# Altium PCB PCB.PcbDoc
Units mil, origin at the board's own origin, x right, y up, seen from the top; angles counter-clockwise.
Board outline 3819.31 x 1594.9 mil, 2 copper layers (Top Layer, Bottom Layer); 102 components, 56 nets, 240 pads, 1282 vias.
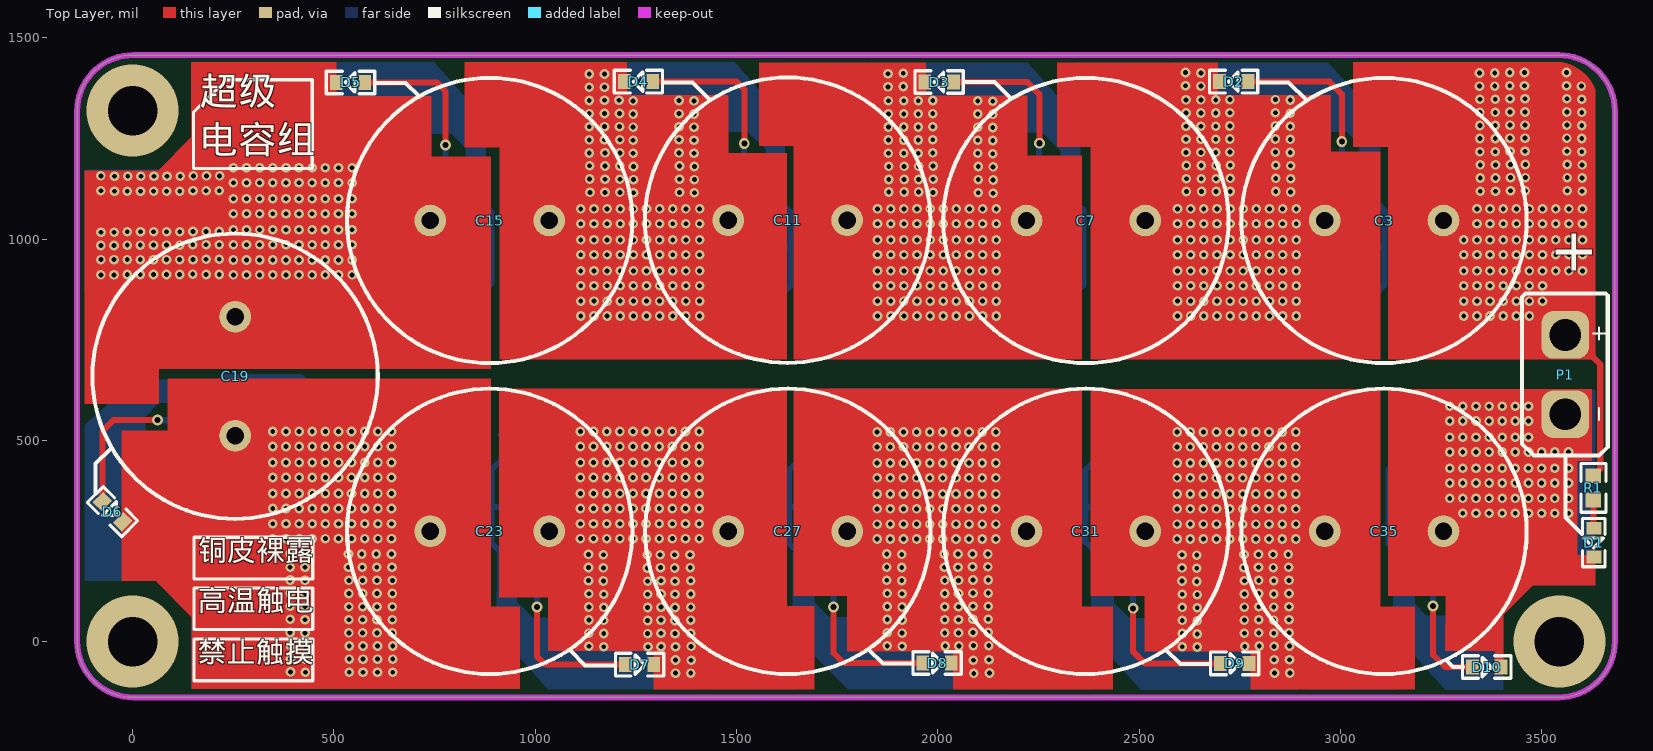
[diagram p0: Top Layer view]
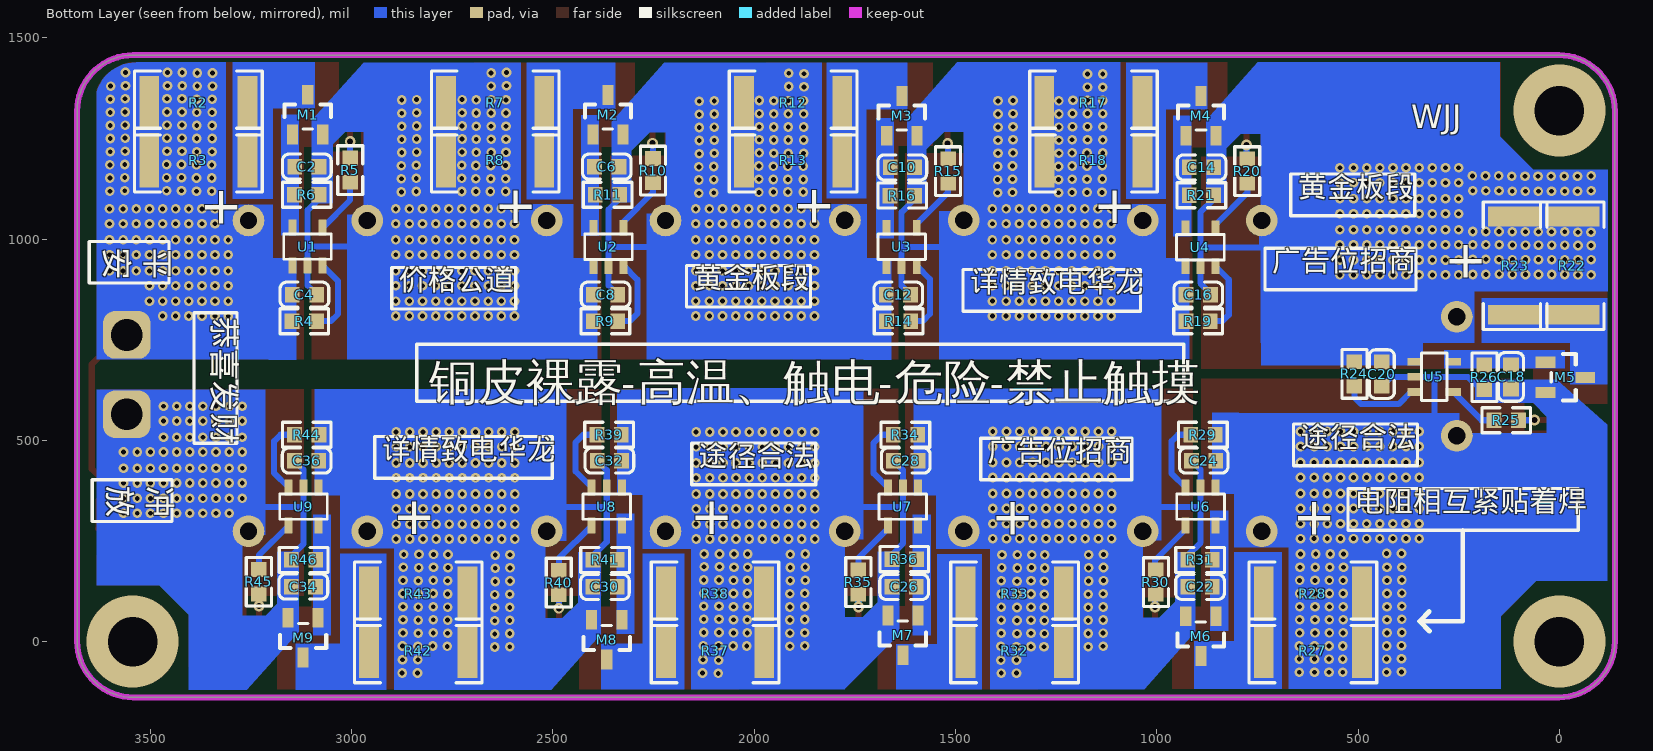
[diagram p1: Bottom Layer view, seen from below]
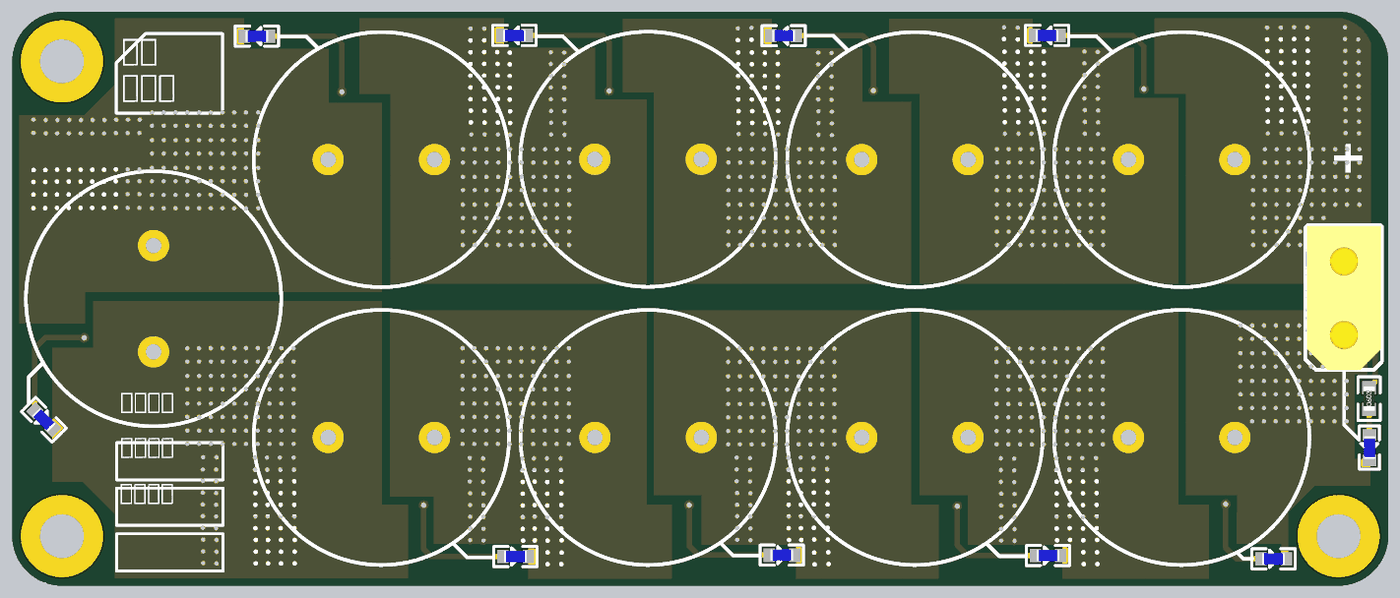
[diagram p2: 3D render of the assembled board from above, using the file's embedded part models]
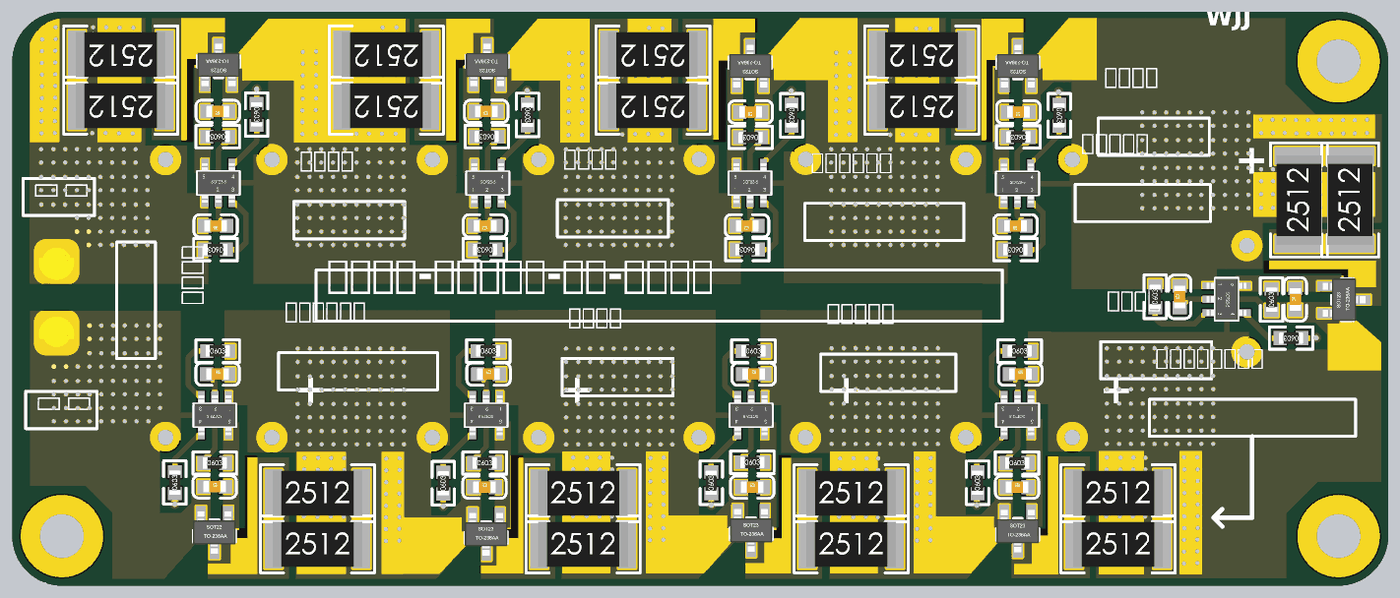
[diagram p3: 3D render of the assembled board from below, using the file's embedded part models]

## Layer stack, top to bottom
Top Solder: solder mask 0.4, Solder Resist, Dk 3.5
Top Layer: signal copper 1.4
Dielectric 1: dielectric 12.6, FR-4, Dk 4.8
Bottom Layer: signal copper 1.4
Bottom Solder: solder mask 0.4, Solder Resist, Dk 3.5

## Board outline
1,-138 cw(c1,1) -138,1 -138,1317.9 cw(c1,1317.9) 1,1456.9 3542.31,1456.9 cw(c3542.31,1317.9) 3681.31,1317.9 3681.31,1 cw(c3542.31,1) 3542.31,-138

## Design rules (kind name [scope] priority, off if disabled: settings)
Clearance [All] p1: gap=10
ComponentClearance [All] p1 off: gap=10 collisioncheckmode=3 verticalgap=10 showdistances=FALSE
Height [All] p1 off: minheight=0 maxheight=1000 prefheight=500
MinimumSolderMaskSliver [All] p1: minsoldermaskwidth=0
PolygonConnect [All] p1: connectstyle=Relief reliefconductorwidth=10 reliefentries=4 polygonreliefangle="90 Angle" airgapwidth=10
RoutingVias [All] p1: holewidth=15 width=27 viastyle="Through Hole" minholewidth=15 minwidth=24 maxholewidth=5000 maxwidth=5000
SilkToSilkClearance [All] p1: silktosilkclearance=0
SilkToSolderMaskClearance [IsPad] p1: minsilkscreentomaskgap=0 clearancetoexposedcopper=TRUE
SolderMaskExpansion [All] p1: expansion=4
Width [All] p1: maxlimit=150 minlimit=15 preferedwidth=15
25 further rules are at their usual default settings.

## Components (designator, comment, footprint, x,y, rotation, side; value= is the part's Value field where it differs from the comment)
C2 "0.1uF" 0603_C 3111,1180 r0 bottom
C3 "60F" 18x40mm 3108,1046.1 r180 top
C4 "0.1uF" 0603_C 3117,862 r0 bottom
C6 "0.1uF" 0603_C 2366,1180 r0 bottom
C7 "60F" 18x40mm 2367.55,1046.1 r180 top
C8 "0.1uF" 0603_C 2369,862 r0 bottom
C10 "0.1uF" 0603_C 1632,1178 r0 bottom
C11 "60F" 18x40mm 1626.64,1047 r180 top
C12 "0.1uF" 0603_C 1642,862 r0 bottom
C14 "0.1uF" 0603_C 889,1178 r0 bottom
C15 "60F" 18x40mm 886.64,1046.1 r180 top
C16 "0.1uF" 0603_C 897,862 r0 bottom
C18 "0.1uF" 0603_C 120,658 r90 bottom
C19 "60F" 18x40mm 254.35,659.45 r270 top
C20 "0.1uF" 0603_C 441,665 r90 bottom
C22 "0.1uF" 0603_C 892,136 r180 bottom
C23 "60F" 18x40mm 886.64,274.1 r0 top
C24 "0.1uF" 0603_C 883,450 r180 bottom
C26 "0.1uF" 0603_C 1627,136 r180 bottom
C27 "60F" 18x40mm 1627.09,274.1 r0 top
C28 "0.1uF" 0603_C 1623,450 r180 bottom
C30 "0.1uF" 0603_C 2370.11,136 r180 bottom
C31 "60F" 18x40mm 2367.55,274.1 r0 top
C32 "0.1uF" 0603_C 2359,450 r180 bottom
C34 "0.1uF" 0603_C 3119,137 r180 bottom
C35 "60F" 18x40mm 3108,274.1 r0 top
C36 "0.1uF" 0603_C 3111,450 r180 bottom
D1 "LED0" LED-0603 3627,248 r270 top
D2 "LED0" LED-0603 2736.55,1393.1 r180 top
D3 "LED0" LED-0603 2005,1392.1 r180 top
D4 "LED0" LED-0603 1258,1393.1 r180 top
D5 "LED0" LED-0603 543,1391.1 r180 top
D6 "LED0" LED-0603 -53,323.1 r315 top
D7 "LED0" LED-0603 1257,-58.9 r0 top
D8 "LED0" LED-0603 1996,-54.9 r0 top
D9 "LED0" LED-0603 2735,-55.9 r0 top
D10 "LED0" LED-0603 3361,-65 r0 top
M1 "IRLML2502TRPBF" "SOT_23 mos" 3108.6,1309.21 r270 bottom
M2 "IRLML2502TRPBF" "SOT_23 mos" 2363,1309 r270 bottom
M3 "IRLML2502TRPBF" "SOT_23 mos" 1633,1306 r270 bottom
M4 "IRLML2502TRPBF" "SOT_23 mos" 890,1306 r270 bottom
M5 "IRLML2502TRPBF" "SOT_23 mos" -15.21,656.6 r0 bottom
M6 "IRLML2502TRPBF" "SOT_23 mos" 890.4,13.79 r90 bottom
M7 "IRLML2502TRPBF" "SOT_23 mos" 1630.4,15.79 r90 bottom
M8 "IRLML2502TRPBF" "SOT_23 mos" 2365.88,5.2 r90 bottom
M9 "IRLML2502TRPBF" "SOT_23 mos" 3120,10.1 r90 bottom
P1 "XT30" XT30-F 3556.98,565.91 r90 top
R1 "10K" 0603_R 3628,382 r90 top
R2 "2R" 2512_R 3379.95,1338 r0 bottom
R3 "2R" 2512_R 3379.95,1196 r0 bottom
R4 "1K" 0603_R 3117,796 r0 bottom
R5 "10K" 0603_R 3003,1171.32 r270 bottom
R6 "1K" 0603_R 3111,1110 r0 bottom
R7 "2R" 2512_R 2643,1338 r0 bottom
R8 "2R" 2512_R 2642.95,1196 r0 bottom
R9 "1K" 0603_R 2369,796 r0 bottom
R10 "10K" 0603_R 2251,1170 r270 bottom
R11 "1K" 0603_R 2364,1110 r0 bottom
R12 "2R" 2512_R 1903,1338 r0 bottom
R13 "2R" 2512_R 1902.95,1196 r0 bottom
R14 "1K" 0603_R 1641,796 r0 bottom
R15 "10K" 0603_R 1518,1169 r270 bottom
R16 "1K" 0603_R 1632,1108 r0 bottom
R17 "2R" 2512_R 1157,1338 r0 bottom
R18 "2R" 2512_R 1156.95,1196 r0 bottom
R19 "1K" 0603_R 897,796 r0 bottom
R20 "10K" 0603_R 775,1169 r270 bottom
R21 "1K" 0603_R 889,1109 r0 bottom
R22 "2R" 2512_R -32,934 r90 bottom
R23 "2R" 2512_R 110,934 r90 bottom
R24 "1K" 0603_R 509,665 r90 bottom
R25 "10K" 0603_R 131.68,550 r0 bottom
R26 "1K" 0603_R 186,657 r90 bottom
R27 "2R" 2512_R 612,-23 r180 bottom
R28 "2R" 2512_R 612,119 r180 bottom
R29 "1K" 0603_R 885,514 r180 bottom
R30 "10K" 0603_R 1002,148 r90 bottom
R31 "1K" 0603_R 892.32,203 r180 bottom
R32 "2R" 2512_R 1352.82,-23 r180 bottom
R33 "2R" 2512_R 1353,119 r180 bottom
R34 "1K" 0603_R 1624,514 r180 bottom
R35 "10K" 0603_R 1741,148 r90 bottom
R36 "1K" 0603_R 1627,205 r180 bottom
R37 "2R" 2512_R 2096.87,-23 r180 bottom
R38 "2R" 2512_R 2097,119 r180 bottom
R39 "1K" 0603_R 2360,514 r180 bottom
R40 "10K" 0603_R 2485,147 r90 bottom
R41 "1K" 0603_R 2370,203 r180 bottom
R42 "2R" 2512_R 2834,-23 r180 bottom
R43 "2R" 2512_R 2834,119 r180 bottom
R44 "1K" 0603_R 3111,514 r180 bottom
R45 "10K" 0603_R 3230,149 r90 bottom
R46 "1K" 0603_R 3119,203 r180 bottom
U1 "BW6101" SOT23-5 3146.4,934 r0 bottom
U2 "BW6101" SOT23-5 2398.95,933.51 r0 bottom
U3 "BW6101" SOT23-5 1670.8,933.51 r0 bottom
U4 "BW6101" SOT23-5 928.8,932.51 r0 bottom
U5 "BW6101" SOT23-5 358,695.4 r90 bottom
U6 "BW6101" SOT23-5 853.6,383 r180 bottom
U7 "BW6101" SOT23-5 1593.04,383 r180 bottom
U8 "BW6101" SOT23-5 2328.47,383 r180 bottom
U9 "BW6101" SOT23-5 3081.51,383 r180 bottom

## Footprints (in the part's own frame and the unit in brackets; to place one, negate y for a bottom-side part, rotate by r counter-clockwise, add the part's x,y. Pads: shape width x height; smd on the part's side, far side on the other; paste and mask are expansions set on the pad)
18x40mm [mm]
  round 2 hole 1.1: 1(-3.75,0) 2(3.75,0)
  silkscreen extent -9,-9 9,9
0603_C [mm]
  rect 0.93x0.98 smd: 1(-0.778,0) 2(0.762,0)
  silkscreen extent -1.54,-0.79 1.53,0.79, body extent -0.81,-0.4 0.79,0.4, height 0.3
0603_R [mm]
  rect 0.93x0.98 smd: 1(-0.77,0) 2(0.77,0)
  silkscreen extent -1.53,-0.79 1.54,0.79, body extent -0.85,-0.4 0.85,0.4, height 0.56
2512_R [mm]
  rect 1.25x3.42 smd: 1(-3.1,0) 2(3.1,0)
  silkscreen extent -4.03,-2.01 4.02,2.01, body extent -3.16,-1.6 3.16,1.6, height 0.62
LED-0603 [mm]
  rect 0.8x0.95 smd: 1(-0.849,0.051) 2(0.951,0.051)
  silkscreen extent -1.47,-0.66 1.57,0.76, body extent -0.75,-0.34 0.85,0.46, height 0.8
SOT23-5 [mm]
  rect 0.5x1 smd: 1(0,0) 2(-0.95,0) 3(-1.9,0) 4(-1.9,-2.4) 5(0,-2.4)
  silkscreen extent -2.45,-2 0.55,-0.4, body extent -2.4,-2.6 0.5,0.2, height 1.09
"SOT_23 mos" [mm]
  rect 1.25x0.7 smd: D(-1.25,0) G(1.25,-0.95) S(1.25,0.95)
  silkscreen extent -0.65,-1.46 0.9,1.46, body extent -1.5,-1.5 1.5,1.5, height 1.3
XT30-F [mm]
  rrect50% 3x3 hole 2: 1(4.981,-0.026) 2(-0.019,-0.026)
  silkscreen extent -2.64,-2.71 7.59,2.69, body extent -2.79,-2.63 7.61,2.67, height 12.6

## Part data
C2 C4 C6 C8 C10 C12 C14 C16 C18 C20 C22 C24 C26 C28 C30 C32 C34 C36: library part Cap
C3 C7 C11 C15 C19 C23 C27 C31 C35: library part "Super Cap"
D1 D2 D3 D4 D5 D6 D7 D8 D9 D10: "发光二极管"
M1 M2 M3 M4 M5 M6 M7 M8 M9: library part MOSFET
R1 R2 R3 R4 R5 R6 R7 R8 R9 R10 R11 R12 R13 R14 R15 R16 R17 R18 R19 R20 R21 R22 R23 R24 R25 R26 R27 R28 R29 R30 R31 R32 R33 R34 R35 R36 R37 R38 R39 R40 R41 R42 R43 R44 R45 R46: library part Res

## Via types
v1: diameter 24, hole 12, Top Layer to Bottom Layer, tented both sides, 1270 vias
v2: diameter 27, hole 15, Top Layer to Bottom Layer, tented both sides, 9 vias
v3: diameter 228.35, hole 122.05, Top Layer to Bottom Layer, 3 vias

## Nets (pads, with @x,y where several pads share a name; then routed paths per layer and width w, separated by ;. In a path a pad name is that pad's centre, name@x,y a point inside that pad or via, vN(x,y) a via of type N, cw(c..) or ccw(c..) an arc to the next point about the centre after c; other vN are vias at no path point)
CC1: C2.1 C3.2 C4.1 C7.1 C8.2 D2.2 M1.S R6.1 R7.2 R8.2 R9.2 U1.2 U2.1 | length 1055.5
  Bottom Layer w15: U2.1 2399.32,933.14 C8.2@2399.32,862 ; C8.2 C8.2@2399.32,862 ; R9.2 C8.2@2399.32,862 ; C7.1 2515.18,909.18 2468,862 C8.2@2399.32,862 ; C3.2 2960.36,982 3109,982 ; M1.S 3071.2,1191.17 3082.37,1180 3071,1168.63 3071,1120.69 3081.69,1110 3081.69,1099.31 3109,1072 3109,982 ; C4.1 3109,884.63 U1.2 3109,982
  other v1: 2595,809 2627.67,809 2660.33,809 2693,809 2725.67,809 2758,809 2790.67,809 2823.33,809 2856,809 2890,809 2595,846 2627.67,846 2660.33,846 2693,846 2725.67,846 2758,846 2790.67,846 2823.33,846 2856,846 2890,846 2595,884 2627.67,884 2660.33,884 2693,884 2725.67,884 2758,884 2790.67,884 2823.33,884 2856,884 2890,884 2595,921 2627.67,921 2660.33,921 2693,921 2725.67,921 2758,921 2790.67,921 2823.33,921 2856,921 2890,921 2595,961 2627.67,961 2660.33,961 2693,961 2725.67,961 2758,961 2790.67,961 2823.33,961 2856,961 2890,961 2595,998 2627.67,998 2660.33,998 2693,998 2725.67,998 2758,998 2790.67,998 2823.33,998 2856,998 2890,998 2595,1038 2627.67,1038 2660.33,1038 2693,1038 2725.67,1038 2758,1038 2790.67,1038 2823.33,1038 2856,1038 2890,1038 2595,1075 2627.67,1075 2660.33,1075 2693,1075 2725.67,1075 2758,1075 2790.67,1075 2823.33,1075 2856,1075 2890,1075 2876,1117 2617,1118 2655,1118 2691,1118 2726,1118 2839,1118 2617,1150 2654,1150 2691,1150 2876,1149.67 2726,1150.67 2839,1150.67 2876,1182.33 2617,1182.67 2654,1182.67 2691,1182.67 2726,1183.33 2839,1183.33 2616,1215.33 2653,1215.33 2690,1215.33 2875,1215 2725,1216 2838,1216 2616,1248 2653,1248 2690,1248 2875,1247.67 2725,1248.67 2838,1248.67 2616,1280.33 2653,1280.33 2690,1280.33 2875,1280 2725,1281 2838,1281 2616,1313 2653,1313 2690,1313 2875,1312.67 2725,1313.67 2838,1313.67 2875,1345.33 2616,1345.67 2653,1345.67 2690,1345.67 2725,1346.33 2838,1346.33 2653,1380 2615,1381 2653,1412.67 2615,1413.67
CC2: C6.1 C7.2 C8.1 C11.1 C12.2 D3.2 M2.S R11.1 R12.2 R13.2 R14.2 U2.2 U3.1 | length 1030.1
  Bottom Layer w15: U3.1 1670.8,796.51 R14.2 ; C12.2 1733,862 1774.73,903.73 C11.1@1774.73,1046.1 ; C7.2 2219.91,980 2361.55,980 ; M2.S 2325.6,1118.09 R11.1 2333.69,1101.31 2361.55,1073.45 2361.55,980 ; C8.1 2361.55,885.18 U2.2 2361.55,980
  other v1: 1850,809 1882.67,809 1915.33,809 1948,809 1980.67,809 2013,809 2045.67,809 2078.33,809 2111,809 2145,809 1850,846 1882.67,846 1915.33,846 1948,846 1980.67,846 2013,846 2045.67,846 2078.33,846 2111,846 2145,846 1850,884 1882.67,884 1915.33,884 1948,884 1980.67,884 2013,884 2045.67,884 2078.33,884 2111,884 2145,884 1850,921 1882.67,921 1915.33,921 1948,921 1980.67,921 2013,921 2045.67,921 2078.33,921 2111,921 2145,921 1850,961 1882.67,961 1915.33,961 1948,961 1980.67,961 2013,961 2045.67,961 2078.33,961 2111,961 2145,961 1850,998 1882.67,998 1915.33,998 1948,998 1980.67,998 2013,998 2045.67,998 2078.33,998 2111,998 2145,998 1850,1038 1882.67,1038 1915.33,1038 1948,1038 1980.67,1038 2013,1038 2045.67,1038 2078.33,1038 2111,1038 2145,1038 1850,1075 1882.67,1075 1915.33,1075 1948,1075 1980.67,1075 2013,1075 2045.67,1075 2078.33,1075 2111,1075 2145,1075 2137,1114 2100,1115 1988,1116 1878,1117 1916,1117 1952,1117 2137,1146.67 1878,1148 1916,1148 1952,1148 2100,1147.67 1988,1148.67 2137,1179.33 2100,1180.33 1878,1180.67 1916,1180.67 1952,1180.67 1988,1181.33 2136,1212 1877,1213.33 1915,1213.33 1951,1213.33 2099,1213 1987,1214 2136,1244.67 1877,1246 1915,1246 1951,1246 2099,1245.67 1987,1246.67 2136,1277 1877,1278.33 1915,1278.33 1951,1278.33 2099,1278 1987,1279 2136,1309.67 1877,1311 1915,1311 1951,1311 2099,1310.67 1987,1311.67 2136,1342.33 2099,1343.33 1877,1343.67 1915,1343.67 1951,1343.67 1987,1344.33 1876,1378 1914,1379 1876,1410.67 1914,1412
CC3: C10.1 C11.2 C12.1 C15.1 C16.2 D4.2 M3.S R16.1 R17.2 R18.2 R19.2 U3.2 U4.1 | length 1040.2
  Bottom Layer w12: R19.2@926.32,798 R19.2@928.8,800.49
  Bottom Layer w15: C16.2 C16.2@928.8,862 ; R19.2@928.8,800.49 C16.2@928.8,862 ; U4.1 C16.2@928.8,862 ; C15.1 1034.28,909.28 987,862 C16.2@928.8,862 ; C11.2 1479,980 1633.4,980 ; M3.S 1595.6,1114.09 R16.1 1601.69,1098.31 1633.4,1066.6 1633.4,980 ; C12.1 1633.4,884.03 U3.2 1633.4,980
  other v1: 1113,809 1145.67,809 1178.33,809 1211,809 1243.67,809 1276,809 1308.67,809 1341.33,809 1374,809 1408,809 1113,846 1145.67,846 1178.33,846 1211,846 1243.67,846 1276,846 1308.67,846 1341.33,846 1374,846 1408,846 1113,884 1145.67,884 1178.33,884 1211,884 1243.67,884 1276,884 1308.67,884 1341.33,884 1374,884 1408,884 1113,921 1145.67,921 1178.33,921 1211,921 1243.67,921 1276,921 1308.67,921 1341.33,921 1374,921 1408,921 1113,961 1145.67,961 1178.33,961 1211,961 1243.67,961 1276,961 1308.67,961 1341.33,961 1374,961 1408,961 1113,998 1145.67,998 1178.33,998 1211,998 1243.67,998 1276,998 1308.67,998 1341.33,998 1374,998 1408,998 1113,1038 1145.67,1038 1178.33,1038 1211,1038 1243.67,1038 1276,1038 1308.67,1038 1341.33,1038 1374,1038 1408,1038 1113,1075 1145.67,1075 1178.33,1075 1211,1075 1243.67,1075 1276,1075 1308.67,1075 1341.33,1075 1374,1075 1408,1075 1244,1115 1395,1115 1136,1116 1173,1116 1210,1116 1358,1116 1244,1147.67 1395,1147.67 1135,1149.33 1173,1148.67 1210,1148.67 1358,1148.67 1244,1180.33 1395,1180.33 1173,1181.33 1210,1181.33 1358,1181.33 1135,1182 1243,1213 1394,1213 1134,1213.67 1173,1214 1210,1214 1357,1214 1134,1246.33 1243,1245.67 1394,1245.67 1172,1246.67 1210,1246.67 1357,1246.67 1243,1278 1394,1278 1134,1279 1172,1279.33 1209,1279.33 1357,1279 1243,1310.67 1394,1310.67 1134,1311.67 1172,1312 1209,1312 1357,1311.67 1243,1343.33 1394,1343.33 1134,1344.33 1357,1344.33 1172,1344.67 1208,1344.67 1134,1377 1172,1377.33 1134,1410 1172,1410
CC4: C14.1 C15.2 C16.1 C19.1 C20.2 D5.2 M4.S R21.1 R22.2 R23.2 R24.2 U4.2 U5.1 | length 1064.1
  Bottom Layer w12: R24.2@508.91,695.4 R24.2
  Bottom Layer w15: C19.1 395.91,807.09 441,762 C20.2@441,695.4 ; U5.1 C20.2@441,695.4 ; C20.2 C20.2@441,695.4 ; R24.2@508.91,695.4 C20.2@441,695.4 ; C15.2 739,979 891.4,979 ; M4.S 852.6,1115.09 R21.1 858.69,1099.31 891.4,1066.6 891.4,979 ; C16.1 866.37,865.37 891.4,890.4 U4.2 891.4,979
  other v1: -79,911 -46.33,911 250,911 282.67,911 315.33,911 348,911 380.67,911 413,911 445.67,911 478.33,911 511,911 545,911 -13.67,912 19,912 51.67,912 84,912 116.67,912 182.33,912 215,912 149.33,913 250,948 282.67,948 315.33,948 348,948 380.67,948 413,948 445.67,948 478.33,948 511,948 545,948 -79,949 -46.33,949 -13.67,949 19,949 51.67,949 84,949 116.67,949 150,949 182.33,950 215,950 -79,984 -46.33,984 -13.67,985 19,985 51.67,985 84,985 116.67,985 149.33,986 182.33,986 215,986 250,986 282.67,986 315.33,986 348,986 380.67,986 413,986 445.67,986 478.33,986 511,986 545,986 -78.67,1017 -46,1017 -13.33,1018 19.33,1018 52,1018 84.33,1018 117,1018 149.67,1019 182.33,1019 215,1019 250,1023 282.67,1023 315.33,1023 348,1023 380.67,1023 413,1023 445.67,1023 478.33,1023 511,1023 545,1023 250,1063 282.67,1063 315.33,1063 348,1063 380.67,1063 413,1063 445.67,1063 478.33,1063 511,1063 545,1063 250,1100 282.67,1100 315.33,1100 348,1100 380.67,1100 413,1100 445.67,1100 478.33,1100 511,1100 545,1100 -45,1119 -13.33,1119 19.33,1119 52,1119 84.33,1119 117,1119 -79,1120 149.67,1120 182.33,1120 215,1120 250,1140 282.67,1140 315.33,1140 348,1140 380.67,1140 413,1140 445.67,1140 478.33,1140 511,1140 545,1140 -45,1156 -12.33,1156 20.33,1156 53,1156 85.33,1156 118,1156 -79,1157 150.67,1157 183.33,1157 216,1157 250,1177 282.67,1177 315.33,1177 348,1177 380.67,1177 413,1177 445.67,1177 478.33,1177 511,1177 545,1177
CC5: C18.1 C19.2 C20.1 C23.1 C24.2 D6.2 M5.S R26.1 R27.2 R28.2 R29.2 U5.2 U6.1 | length 1016.8
  Bottom Layer w15: M5.S 178.51,619.2 R26.1 195.69,626.69 227,658 310,658 ; C19.2 310,511.81 310,658 ; C20.1 417.37,658 U5.2 310,658 ; C23.1 739,383 806,450 C24.2 ; U6.1 853.6,512.91 R29.2
  other v1: 429,-76 538,-76 572,-76 608,-76 646,-76 392,-75 429,-43.33 538,-43.33 572,-43.33 608,-43.33 646,-43.33 392,-42.33 429,-10.67 538,-10.67 572,-10.67 608,-10.67 646,-10.67 392,-9.67 428,22 537,22 571,22 607,22 645,22 391,23 428,54.67 537,54.67 571,54.67 607,54.67 645,54.67 391,55.67 428,87 537,87 571,87 607,87 645,87 391,88 428,119.67 537,119.67 571,119.67 607,119.67 645,119.67 391,120.67 428,152.33 537,152.33 571,152.33 607,152.33 645,152.33 391,153.33 391,185 428,185 536,185 570,185 606,185 644,185 536,217.67 569,218 605,218 643,218 392,219 429,219 348,256 380.67,256 413.33,256 446,256 478.67,256 511,256 543.67,256 576.33,256 609,256 643,256 348,293 380.67,293 413.33,293 446,293 478.67,293 511,293 543.67,293 576.33,293 609,293 643,293 348,331 380.67,331 413.33,331 446,331 478.67,331 511,331 543.67,331 576.33,331 609,331 643,331 348,368 380.67,368 413.33,368 446,368 478.67,368 511,368 543.67,368 576.33,368 609,368 643,368 348,408 380.67,408 413.33,408 446,408 478.67,408 511,408 543.67,408 576.33,408 609,408 643,408 348,445 380.67,445 413.33,445 446,445 478.67,445 511,445 543.67,445 576.33,445 609,445 643,445 348,485 380.67,485 413.33,485 446,485 478.67,485 511,485 543.67,485 576.33,485 609,485 643,485 348,522 380.67,522 413.33,522 446,522 478.67,522 511,522 543.67,522 576.33,522 609,522 643,522
CC6: C22.1 C23.2 C24.1 C27.1 C28.2 D7.2 M6.S R31.1 R32.2 R33.2 R34.2 U6.2 U7.1 | length 1015.1
  Bottom Layer w15: C24.1 891,427.37 U6.2 891,335 ; R31.1 922.63,214.37 891,246 891,335 ; C23.2 1034.28,335 891,335 ; C27.1 1479.45,413.45 1516,450 C28.2 ; U7.1 1593.68,383.65 R34.2
  Bottom Layer w20: R31.1 927.8,197.83 M6.S
  other v1: 1348,-78 1386,-78 1387,-46 1348,-45.33 1280,-12.67 1312,-12.67 1348,-12.67 1170,-12.33 1313,-11.67 1387,-11.67 1133,-11.33 1170,20.33 1279,20 1347,20 1133,21.33 1312,21 1386,21 1170,53 1279,52.67 1347,52.67 1133,54 1312,53.67 1386,53.67 1170,85.33 1279,85 1347,85 1133,86.33 1312,86 1386,86 1170,118 1279,117.67 1347,117.67 1133,119 1312,118.67 1386,118.67 1279,150.33 1347,150.33 1169,150.67 1312,151.33 1386,151.33 1132,151.67 1169,183.33 1278,183 1346,183 1132,184.33 1311,184 1385,184 1169,216 1278,215.67 1310,216 1346,216 1384,216 1132,217 1112,256 1144.67,256 1177.33,256 1210,256 1242.67,256 1275,256 1307.67,256 1340.33,256 1373,256 1407,256 1112,293 1144.67,293 1177.33,293 1210,293 1242.67,293 1275,293 1307.67,293 1340.33,293 1373,293 1407,293 1112,331 1144.67,331 1177.33,331 1210,331 1242.67,331 1275,331 1307.67,331 1340.33,331 1373,331 1407,331 1112,368 1144.67,368 1177.33,368 1210,368 1242.67,368 1275,368 1307.67,368 1340.33,368 1373,368 1407,368 1112,408 1144.67,408 1177.33,408 1210,408 1242.67,408 1275,408 1307.67,408 1340.33,408 1373,408 1407,408 1112,445 1144.67,445 1177.33,445 1210,445 1242.67,445 1275,445 1307.67,445 1340.33,445 1373,445 1407,445 1112,485 1144.67,485 1177.33,485 1210,485 1242.67,485 1275,485 1307.67,485 1340.33,485 1373,485 1407,485 1112,522 1144.67,522 1177.33,522 1210,522 1242.67,522 1275,522 1307.67,522 1340.33,522 1373,522 1407,522
CC7: C26.1 C27.2 C28.1 C31.1 C32.2 D8.2 M7.S R36.1 R37.2 R38.2 R39.2 U7.2 U8.1 | length 733.9
  Bottom Layer w15: C28.1 1630.44,426.81 U7.2 1630.44,335 ; C26.1@1654.99,136.32 C26.1@1655.3,136 ; M7.S 1667.8,194.51 R36.1 1657.31,216.69 1630.44,243.56 1630.44,335 ; C27.2 1774.73,312.27 1752,335 1630.44,335 ; U8.1 2328.47,512.79 R39.2
  other v1: 2089,-78.67 2128,-77.67 2088,-46 2127,-45 1911,-11.33 2018,-10.67 2052,-10.67 1874,-10.33 2088,-9.67 2126,-9.67 1911,21.33 1874,22.33 2017,22 2051,22 2087,23 2125,23 1911,54 1874,55 2017,54.67 2051,54.67 2087,55.67 2125,55.67 1911,86.33 1874,87.33 2017,87 2051,87 2087,88 2125,88 1911,119 1874,120 2017,119.67 2051,119.67 2087,120.67 2125,120.67 1910,151.67 2017,152.33 2051,152.33 1873,152.67 2087,153.33 2125,153.33 1910,184.33 1873,185.33 2016,185 2050,185 2086,186 2124,186 1910,217 1873,218 2016,217.67 2050,218 2086,218 2124,218 1849,255 1881.67,255 1914.33,255 1947,255 1979.67,255 2012,255 2044.67,255 2077.33,255 2110,255 2144,255 1849,292 1881.67,292 1914.33,292 1947,292 1979.67,292 2012,292 2044.67,292 2077.33,292 2110,292 2144,292 1849,330 1881.67,330 1914.33,330 1947,330 1979.67,330 2012,330 2044.67,330 2077.33,330 2110,330 2144,330 1849,367 1881.67,367 1914.33,367 1947,367 1979.67,367 2012,367 2044.67,367 2077.33,367 2110,367 2144,367 1849,407 1881.67,407 1914.33,407 1947,407 1979.67,407 2012,407 2044.67,407 2077.33,407 2110,407 2144,407 1849,444 1881.67,444 1914.33,444 1947,444 1979.67,444 2012,444 2044.67,444 2077.33,444 2110,444 2144,444 1849,484 1881.67,484 1914.33,484 1947,484 1979.67,484 2012,484 2044.67,484 2077.33,484 2110,484 2144,484 1849,521 1881.67,521 1914.33,521 1947,521 1979.67,521 2012,521 2044.67,521 2077.33,521 2110,521 2144,521
CC8: C30.1 C31.2 C32.1 C35.1 C36.2 D9.2 M8.S R41.1 R42.2 R43.2 R44.2 U8.2 U9.1 | length 992.3
  Bottom Layer w15: C32.1 2365.88,426.24 U8.2 2365.88,335 ; M8.S 2403.28,200.04 R41.1 2400.31,213.69 2378.02,235.98 2365.88,248.13 2365.88,335 ; C31.2 2515.18,289.82 2470,335 2365.88,335 ; C35.1 2960.36,381.36 3029,450 C36.2@3080.68,450 ; R44.2 C36.2@3080.68,450 ; C36.2 C36.2@3080.68,450 ; U9.1 3080.68,383.82 C36.2@3080.68,450
  other v1: 2836,-77.67 2874,-77.67 2835,-45 2873,-45 2644,-13.33 2607,-12.33 2762,-11.67 2835,-11.67 2798,-10.67 2873,-10.67 2644,19.33 2607,20.33 2761,21 2834,21 2797,22 2872,22 2644,52 2607,53 2761,53.67 2834,53.67 2797,54.67 2872,54.67 2644,84.33 2607,85.33 2761,86 2834,86 2797,87 2872,87 2644,117 2607,118 2761,118.67 2834,118.67 2797,119.67 2872,119.67 2643,149.67 2606,150.67 2761,151.33 2834,151.33 2797,152.33 2872,152.33 2643,182.33 2606,183.33 2760,184 2833,184 2796,185 2871,185 2643,215 2606,216 2760,216.67 2796,217 2832,217 2870,217 2594,255 2626.67,255 2659.33,255 2692,255 2724.67,255 2757,255 2789.67,255 2822.33,255 2855,255 2889,255 2594,292 2626.67,292 2659.33,292 2692,292 2724.67,292 2757,292 2789.67,292 2822.33,292 2855,292 2889,292 2594,330 2626.67,330 2659.33,330 2692,330 2724.67,330 2757,330 2789.67,330 2822.33,330 2855,330 2889,330 2594,367 2626.67,367 2659.33,367 2692,367 2724.67,367 2757,367 2789.67,367 2822.33,367 2855,367 2889,367 2594,407 2626.67,407 2659.33,407 2692,407 2724.67,407 2757,407 2789.67,407 2822.33,407 2855,407 2889,407 2594,444 2626.67,444 2659.33,444 2692,444 2724.67,444 2757,444 2789.67,444 2822.33,444 2855,444 2889,444 2594,484 2626.67,484 2659.33,484 2692,484 2724.67,484 2757,484 2789.67,484 2822.33,484 2855,484 2889,484 2594,521 2626.67,521 2659.33,521 2692,521 2724.67,521 2757,521 2789.67,521 2822.33,521 2855,521 2889,521
GND: C34.1 C35.2 C36.1 D1.2 D10.2 M9.S P1.2 R46.1 U9.2 | length 604.8
  Bottom Layer w15: C36.1 3118.91,427.28 U9.2 3118.91,335 ; R46.1 3149.31,212.69 3118.91,243.09 3118.91,335 ; C35.2 3255.64,318.36 3239,335 3118.91,335
  Bottom Layer w20: R46.1@3147.31,203 3157.4,192.91 M9.S
  other v1: 3303.67,319 3336.33,319 3369,319 3401.67,319 3434,319 3466.67,319 3499.33,319 3532,319 3566,319 3271,356 3303.67,356 3336.33,356 3369,356 3401.67,356 3434,356 3466.67,356 3499.33,356 3532,356 3566,356 3271,394 3303.67,394 3336.33,394 3369,394 3401.67,394 3434,394 3466.67,394 3499.33,394 3532,394 3566,394 3271,431 3303.67,431 3336.33,431 3369,431 3401.67,431 3434,431 3466.67,431 3499.33,431 3532,431 3566,431 3271,471 3303.67,471 3336.33,471 3369,471 3401.67,471 3434,471 3466.67,471 3499.33,471 3532,471 3566,471 3271,508 3303.67,508 3336.33,508 3369,508 3401.67,508 3434,508 3466.67,508 3271,548 3303.67,548 3336.33,548 3369,548 3401.67,548 3434,548 3466.67,548 3271,585 3303.67,585 3336.33,585 3369,585 3401.67,585 3434,585 3466.67,585
NetC2_2: C2.2 M1.G R6.2 U1.5 | length 231.7
  Bottom Layer w15: M1.G 3146.4,1259.6 U1.5
NetC6_2: C6.2 M2.G R11.2 U2.5 | length 237.7
  Bottom Layer w15: U2.5 2398.95,1259.79 2398.95,1259.95 M2.G@2403,1264
NetC10_2: C10.2 M3.G R16.2 U3.5 | length 229
  Bottom Layer w15: M3.G 1670.8,1256.39 U3.5
NetC14_2: C14.2 M4.G R21.2 U4.5 | length 230.3
  Bottom Layer w15: M4.G@925.4,1256.79 928.8,1253.39 931.8,1179 U4.5@931.8,1028
NetC18_2: C18.2 M5.G R26.2 U5.5 | length 230.1
  Bottom Layer w12: U5.5@262.11,694 U5.5
  Bottom Layer w15: M5.G U5.5@262.11,694
NetC22_2: C22.2 M6.G R31.2 U6.5 | length 226.5
  Bottom Layer w15: U6.5 853.6,65.4 M6.G@856,63
NetC26_2: C26.2 M7.G R36.2 U7.5 | length 223.5
  Bottom Layer w15: M7.G M7.G U7.5
NetC30_2: C30.2 M8.G R41.2 U8.5 | length 234.1
  Bottom Layer w15: M8.G U8.5
NetC34_2: C34.2 M9.G R46.2 U9.5 | length 229.6
  Bottom Layer w15: U9.5 3081.51,60.41 M9.G
NetD1_1: D1.1 R1.1 | length 70.7
  Top Layer w15: R1.1 3628,282.43 D1.1
NetD2_1: D2.1 R5.1 | length 404.3
  Top Layer w15: D2.1 2971.9,1391.1 3003,1360 v2(3003,1242)
  Bottom Layer w15: R5.1 v2(3003,1242)
NetD3_1: D3.1 R10.1 | length 386.1
  Top Layer w15: D3.1 2221.9,1390.1 2252,1360 v2(2252,1238)
  Bottom Layer w15: R10.1 2251,1237 v2(2252,1238)
NetD4_1: D4.1 R15.1 | length 408.6
  Top Layer w15: D4.1 1499.9,1391.1 1519,1372 v2(1519,1237)
  Bottom Layer w15: R15.1 1518,1236 v2(1519,1237)
NetD5_1: D5.1 R20.1 | length 378.2
  Top Layer w15: D5.1 754.9,1389.1 777,1367 v2(777,1234)
  Bottom Layer w15: R20.1 777,1201.31 v2(777,1234)
NetD6_1: D6.1 R25.1 | length 363.3
  Top Layer w15: D6.1 -75.23,522.77 -47,551 v2(62,551)
  Bottom Layer w12: v2(62,551) v2@63,550
  Bottom Layer w15: v2@63,550 R25.1
NetD7_1: D7.1 R30.1 | length 381.9
  Top Layer w15: v2(1004,86) 1004,-36 1024.9,-56.9 D7.1
  Bottom Layer w15: v2(1004,86) R30.1@1004,117.69
NetD8_1: D8.1 R35.1 | length 377.6
  Top Layer w15: v2(1741,86) 1741,-28 1765.9,-52.9 D8.1
  Bottom Layer w15: v2(1741,86) R35.1
NetD9_1: D9.1 R40.1 | length 370.2
  Top Layer w15: v2(2485,83) 2485,-25 2513.9,-53.9 D9.1
  Bottom Layer w15: v2(2485,83) R40.1
NetD10_1: D10.1 R45.1 | length 263.6
  Top Layer w15: v2(3230,89) 3230,-33 3259.9,-62.9 D10.1@3329.57,-62.9
  Bottom Layer w15: v2(3230,89) R45.1
NetM1_D: M1.D R2.1 R3.1
NetM2_D: M2.D R7.1 R8.1
NetM3_D: M3.D R12.1 R13.1
NetM4_D: M4.D R17.1 R18.1
NetM5_D: M5.D R22.1 R23.1
NetM6_D: M6.D R27.1 R28.1
NetM7_D: M7.D R32.1 R33.1
NetM8_D: M8.D R37.1 R38.1
NetM9_D: M9.D R42.1 R43.1
NetR4_1: R4.1 U1.3 | length 197.1
  Bottom Layer w15: U1.3 3033,895.4 3033,814 3051,796 R4.1
NetR5_2: R5.2 U1.4 | length 140.9
  Bottom Layer w15: R5.2 3003,1097.09 U1.4
NetR9_1: R9.1 U2.3 | length 189.2
  Bottom Layer w15: U2.3 2290,899.37 2290,815 2309,796 R9.1
NetR10_2: R10.2 U2.4 | length 142
  Bottom Layer w15: R10.2 2251,1116 2324.14,1042.86 U2.4
NetR14_1: R14.1 U3.3 | length 188.3
  Bottom Layer w15: U3.3 1563,900.51 1563,814 1581,796 R14.1
NetR15_2: R15.2 U3.4 | length 143
  Bottom Layer w15: R15.2 1518,1116 1596,1038 U3.4
NetR19_1: R19.1 U4.3 | length 186.5
  Bottom Layer w15: U4.3 821,899.51 821,812 837,796 R19.1
NetR20_2: R20.2 U4.4 | length 144.4
  Bottom Layer w15: R20.2 775,1115 854,1036 U4.4
NetR24_1: R24.1 U5.3 | length 198.4
  Bottom Layer w12: U5.3 U5.3@368.4,620.6
  Bottom Layer w15: U5.3@368.4,620.6 399,590 492,590 509,607 R24.1
NetR25_2: R25.2 U5.4 | length 130.8
  Bottom Layer w15: R25.2 192.91,550 U5.4
NetR29_1: R29.1 U6.3 | length 183.6
  Bottom Layer w15: R29.1 947,514 963,498 963,417.6 U6.3
NetR30_2: R30.2 U6.4 | length 136.8
  Bottom Layer w15: U6.4 928.4,278.6 1004,203 R30.2@1004,183
NetR34_1: R34.1 U7.3 | length 182.5
  Bottom Layer w15: R34.1 1683,514 1703,494 1703,418.16 U7.3
NetR35_2: R35.2 U7.4 | length 140.5
  Bottom Layer w15: U7.4 1667.84,280.16 1741,207 R35.2
NetR39_1: R39.1 U8.3 | length 189
  Bottom Layer w15: R39.1 2424,514 2443,495 2443,422.72 U8.3
NetR40_2: R40.2 U8.4 | length 145
  Bottom Layer w15: U8.4 2485,206.79 R40.2
NetR44_1: R44.1 U9.3 | length 187.1
  Bottom Layer w15: R44.1 3176,514 3192,498 3192,418.69 U9.3
NetR45_2: R45.2 U9.4 | length 139.7
  Bottom Layer w15: U9.4 3230,214.82 R45.2
VCC: C3.1 C4.2 P1.1 R1.2 R2.2 R3.2 R4.2 U1.1 | length 812.4
  Top Layer w15: P1.1 3572,762 3645,689 3645,429.32 R1.2
  Bottom Layer w15: U1.1 3146.4,796.91 R4.2 ; C4.2 3222,862 3242,882 3242,1032.46 C3.1
  other v1: 3306,809 3338.67,809 3371.33,809 3404,809 3436.67,809 3469,809 3306,846 3338.67,846 3371.33,846 3404,846 3436.67,846 3469,846 3501.67,846 3306,884 3338.67,884 3371.33,884 3404,884 3436.67,884 3469,884 3501.67,884 3306,921 3338.67,921 3371.33,921 3404,921 3436.67,921 3469,921 3501.67,921 3534.33,921 3567,921 3601,921 3306,961 3338.67,961 3371.33,961 3404,961 3436.67,961 3469,961 3501.67,961 3534.33,961 3567,961 3601,961 3306,998 3338.67,998 3371.33,998 3404,998 3436.67,998 3469,998 3501.67,998 3534.33,998 3567,998 3601,998 3338.67,1038 3371.33,1038 3404,1038 3436.67,1038 3469,1038 3501.67,1038 3534.33,1038 3567,1038 3601,1038 3338.67,1075 3371.33,1075 3404,1075 3436.67,1075 3469,1075 3501.67,1075 3534.33,1075 3567,1075 3601,1075 3347,1119 3385,1119 3600,1119 3422,1120 3459,1120 3563,1120 3347,1151.67 3385,1151.67 3600,1151.67 3422,1152.67 3459,1152.67 3563,1152.67 3347,1184.33 3385,1184.33 3600,1184.33 3422,1185.33 3459,1185.33 3563,1185.33 3346,1217 3384,1217 3599,1217 3421,1218 3458,1218 3562,1218 3346,1249.67 3384,1249.67 3599,1249.67 3421,1250.67 3458,1250.67 3562,1250.67 3346,1282 3384,1282 3599,1282 3421,1283 3458,1283 3562,1283 3346,1314.67 3384,1314.67 3599,1314.67 3421,1315.67 3458,1315.67 3562,1315.67 3346,1347.33 3384,1347.33 3599,1347.33 3421,1348.33 3458,1348.33 3562,1348.33 3345,1380 3383,1380 3598,1380 3420,1381 3457,1381 3561,1381 3345,1412.67 3383,1412.67 3420,1413.67 3457,1413.67 3561,1413.67
copper on no net:
  other v3: 0,0 3543.31,0 0,1318.9

## Keep-outs
Keep-Out Layer:
  the board outline again, w15

## Other copper
Top Layer:
  region net CC2: 2357,701 1642,701 1642,1232 1556,1232 1556,1438 1970,1438 1970,1356 2222,1356 2222,1207 2357,1207
  region net CC1: 3099,701 3027,701 2380,701 2380,1229 2296,1229 2296,1438 2695,1438 2695,1357 2976,1357 2976,1217 3099,1217
  region net CC3: 1624,701 912,701 912,1228 825,1228 825,1439 1227.5,1439 1227.5,1357 1479.5,1357 1479.5,1213 1624,1213
  region net CC4: 889,678 889,1204 741,1204 741,1354.35 506,1354.35 506,1439 146,1439 146,1253 63,1170 -119,1170 -119,591 64.65,591 64.65,678
  region net CC5: 889,653 889,87 961,87 961,-117 147,-117 147,61 57,151 -27,151 -27,524 87,524 87,653
  region net CC6: 910,628 1624,628 1624,88 1693,88 1693,-118 1294.43,-118 1294.43,-22 1032,-22 1032,110 910,110
  region net CC7: 1642,628 2357,628 2357,87 2434,87 2434,-118 2038,-118 2038,-24 1775,-24 1775,114 1642,114
  region net CC8: 2380,627 3099,627 3099,87.14 3184,87.14 3184,-118 2777,-118 2777,-24 2514,-24 2514,114 2380,114
  region net GND: 3119,627 3624,627 3624,450 3588,450 3588,215 3632,215 3632,140 3587,140 3477,140 3404,67 3404,-63 3384,-63 3384,-22 3260.16,-22 3261.34,114 3119,114
  region net VCC: 3633,701 3633,1370.42 ccw(c3529.91,1330.2) 3550.11,1439 3032,1439 3032,1229 3119,1229 3119,701
Bottom Layer:
  rectangle net CC7: 2268,364 2341,627
  rectangle net CC8: 3021,363 3092,628
  rectangle net VCC: 3137,700 3205.68,953
  rectangle net CC1: 2389,701 2457.68,953
  rectangle net CC2: 1659,700 1728.68,953
  rectangle net CC3: 918,701 986.68,953
  region net CC4: 741,686 741,753.68 338,753.68 338,686
  region net CC5: 863,569 796,569 796,367 863,367
  region net CC6: 1604,629 1531.32,629 1531.32,363 1604,363
  rectangle net NetC2_2: 3130,1009 3175,1309
  rectangle net NetC6_2: 2385,1008 2430,1308
  rectangle net NetC10_2: 1652,1001 1697,1301
  rectangle net NetC14_2: 914,1007 959,1307
  region net NetC18_2: 286,679 286,724 -14,724 -14,679
  rectangle net NetC22_2: 822,26 867,326
  rectangle net NetC26_2: 1561,16 1606,316
  rectangle net NetC30_2: 2297,19 2342,319
  rectangle net NetC34_2: 3051,16 3096,316
  region net CC2: 2353,1091 2353,1291.87 2222.61,1438 2209.5,1438 2209.5,1265 2259,1265 2305,1219 2305,1091
  region net NetM3_D: 1619,1438 1820,1438 1820,1102 1721,1102 1721,1322 1619,1322
  region net CC2: 1720,701 2266,701 2266,1063 2219,1063 2219,1438 1832,1438 1832,1086 1720,1086
  region net CC1: 3098,1089 3098,1294.55 2970,1438 2943,1438 2943,1266 3015,1266 3046,1235 3046,1089
  region net CC1: 2450,701 3011,701 3011,1061 2970,1061 2970,1438 2579,1438 2579,1086 2449.01,1086
  region net NetM2_D: 2345,1438 2565,1438 2565,1099 2450,1099 2450,1324 2345,1324
  region net CC3: 978,702 1540,702 1540,1069 1479,1069 1479,1439 1091,1439 1091,1087 978,1087
  region net NetM4_D: 875,1438 1076,1438 1076,1100 977,1100 977,1323 875,1323
  region net CC3: 1620,1089 1620,1298.91 1495,1439 1460,1439 1460,1267 1528,1267 1572,1223 1572,1089
  region net CC4: 876.42,1090 877.27,1295.61 749.32,1439 732,1439 732,1261 791,1261 827,1225 827,1090
  region net CC4: 211,742 741,742 741,1439 148,1439 148,1255 65,1172 -120,1172 -120,870 211,870
  region net NetM5_D: -119,640 -119,853 193,853 193,742 -27,742 -27,640
  region net CC5: 209,650 5.81,650 -119,538.63 -119,474 31,474 31,559 65,593 209,593
  region net CC5: 672,-117 672,235 807,235 807,567 249,567 249,518 -119,518 -119,151 57,151 145,63 145,-117
  region net NetM6_D: 907,-117 690,-117 690,222 806.82,222 806.82,1 907,1 907,-58
  region net NetM7_D: 1647,-118 1434,-118 1434,217 1545,217 1545,-6 1647,-6 1647,-58
  region net NetM9_D: 3138,-119 2913,-119 2913,219 3028,219 3028,-5 3138,-5
  region net CC6: 905.05,222 904.26,24.56 1031.46,-118 1062,-118 1062,59 994,59 954,99 954,222
  region net CC8: 2381,222 2381,18.72 2503.89,-119 2537.11,-119 2537.11,58 2476,58 2437,97 2437,222
  region net GND: 3131,223 3131,25.21 3259.68,-119 3292,-119 3292,65 3213,65 3184,94 3184,223
  region net CC7: 1639,224 1639,19 1776,-118 1804,-118 1804,61 1730,61 1693,98 1693,224
  region net NetM8_D: 2380,-118 2174,-118 2174,218 2276,218 2276,-5 2380,-5
  region net CC6: 1547,628 989,628 989,252 1034,252 1034,-118 1413,-118 1413,231 1547,231
  region net CC7: 2276,629 1729,629 1729,254 1775,254 1775,-118 2156,-118 2156,231 2276,231
  region net CC8: 3028,627 2467,627 2467,251 2519,251 2519,-119 2894,-119 2894,232 3028,232
  region net GND: 3632.5,626 3632.5,139.77 3476.77,139.77 3403.91,66.91 3403.91,-119 3271,-119 3271,266 3213.5,266 3213.5,626
  region net NetM1_D: 3091,1439 3295,1439 3295,1100 3196,1100 3196,1325 3091,1325
  region net VCC: 3633,701 3633,1366.26 ccw(c3534.29,1335.65) 3534.29,1439 3312,1439 3312,1085 3196,1085 3196,701

## Silkscreen, mask and mechanical layers (free items; w line width, h text height)
Top Overlay:
  lines w8: 151,1175 446,1175 446,1396 232,1396 151,1315 151,1175 ; 152,-97 152,6.42 447,6.42 447,-97 152,-97 ; 152,30 447,30 447,133.42 152,133.42 152,30 ; 152,156 152,259.42 447,259.42 447,156 152,156
  lines w10: -92,368.1 -92,442.1 -55.5,478.6 ; 604,1388.1 678,1388.1 711,1355.1 ; 1087.5,-22.4 1124,-58.9 1198,-58.9 ; 1317,1389.1 1390,1389.1 1434,1345.1 ; 1828,-18.9 1863,-53.9 1937,-53.9 ; 2065,1390.1 2141,1390.1 2180.5,1350.6 ; 2565.5,-19.4 2602,-55.9 2676,-55.9 ; 2797,1389.1 2871,1389.1 2915,1345.1 ; 3262,-45.9 3279,-62.9 3304,-62.9 ; 3559,461 3559,309 3600,268
  text "超级 / 电容组" at 167,1190 h120
  text "+" at 3519,886 h180
  text "铜皮裸露" at 163,184 h90
  text "高温触电" at 163,59 h90
  text "禁止触摸" at 162,-69 h90
Bottom Overlay:
  lines w8: -47,277 525,277 525,380.42 -47,380.42 -47,277 ; 352,437 352,540.42 660,540.42 660,437 352,437 ; 356,874 356,977.42 731,977.42 731,874 356,874 ; 359,1058 359,1161.42 667,1161.42 667,1058 359,1058 ; 933,597 933,739 2838,739 2838,597 933,597 ; 1040,821 1040,924.42 1481,924.42 1481,821 1040,821 ; 1062,402 1437,402 1437,505.42 1062,505.42 1062,402 ; 1847,390 2155,390 2155,493.42 1847,493.42 1847,390 ; 1860,831 2168,831 2168,934.42 1860,934.42 1860,831 ; 2501,406 2942,406 2942,509.42 2501,509.42 2501,406 ; 2592,826 2592,929.42 2900,929.42 2900,826 2592,826 ; 3284,493 3284,817 3391,817 3391,493 3284,493 ; 3446,298.58 3446,402 3644,402 3644,298.58 3446,298.58 ; 3453,890.58 3453,994 3651,994 3651,890.58 3453,890.58
  lines w12: 240,277 240,51 347,51 ; 322.5,26.5 347,51 ; 323,75 347,51
  text "WJJ" at 368,1255 h100
  text "黄金板段" at 649,1087 h90
  text "+" at 1904,1009 h160
  text "+" at 1158,1008 h160
  text "+" at 2645,1008 h160
  text "+" at 3377,1007 h160
  text "平 / 安" at 3630,979 h100 r90
  text "广告位招商" at 713,903 h90
  text "+" at 286,873 h160
  text "黄金板段" at 2150,860 h90
  text "价格公道" at 2882,855 h90
  text "详情致电华龙" at 1463,850 h90
  text "恭喜发财" at 3363,807 h100 r90
  text "铜皮裸露-高温、触电-危险-禁止触摸" at 2807,574 h150
  text "途径合法" at 642,466 h90
  text "详情致电华龙" at 2924,435 h90
  text "广告位招商" at 1419,431 h90
  text "途径合法" at 2137,419 h90
  text "冲 / 放" at 3623,387 h100 r90
  text "电阻相互紧贴着焊" at 507,306 h90
  text "+" at 2158,236 h160
  text "+" at 2898,236 h160
  text "+" at 662,234 h160
  text "+" at 1411,234 h160
Bottom Solder:
  drawing of 26 lines, arcs and shapes, not listed